# Allegro board SSOM_K1_Layout.brd (continued)
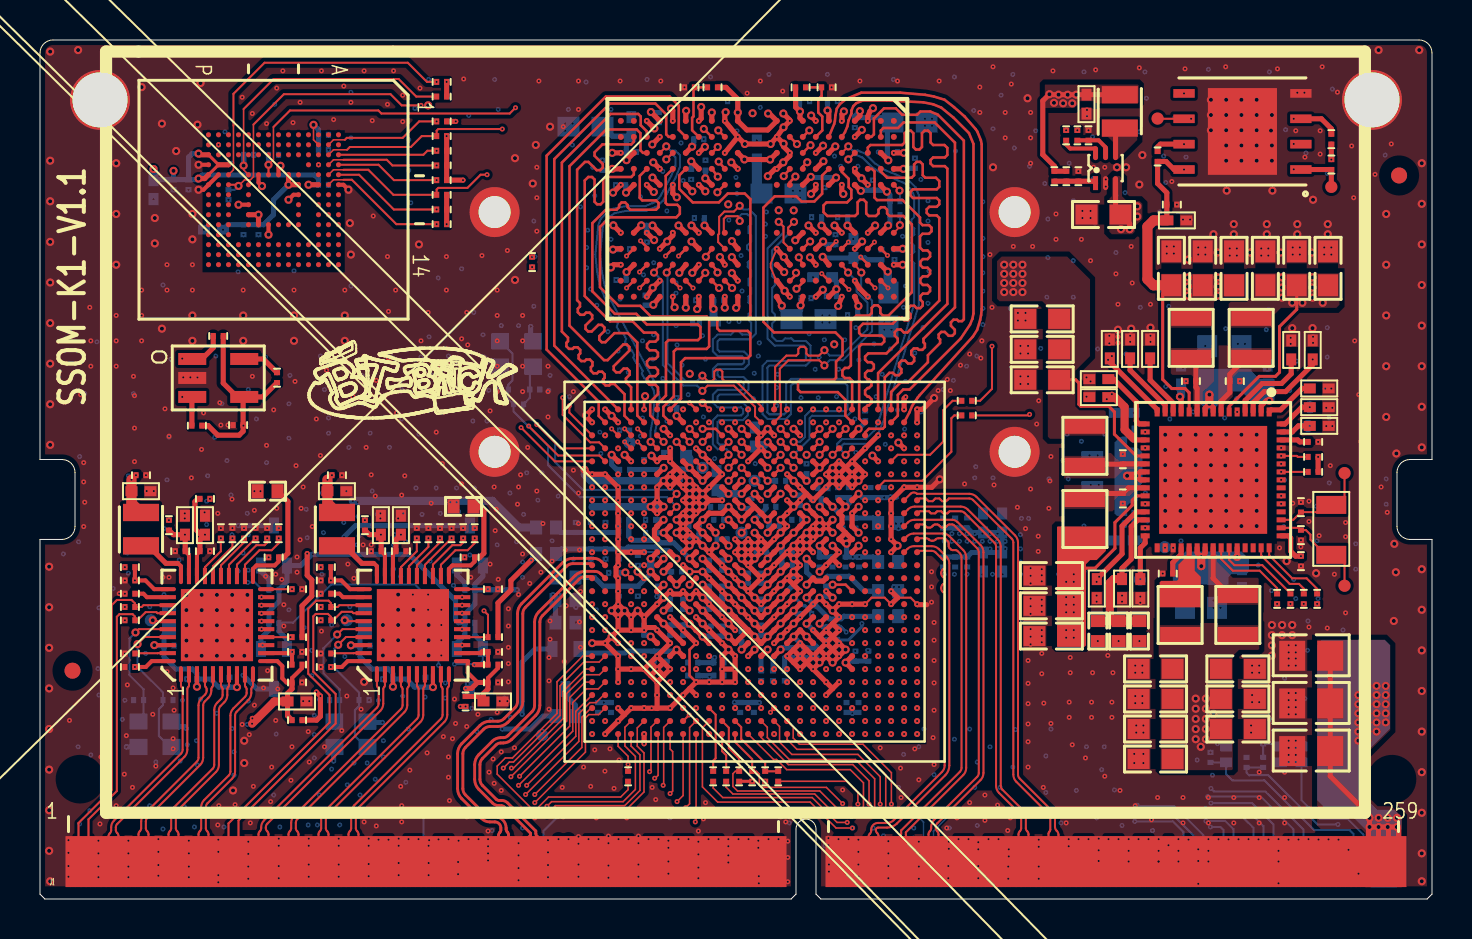
[diagram p0: board, top side]
## Routing (per net, layer and track width the routed paths; a pad name or vN(x,y) marks a point on that pad's centre or on a via; arc(x,y) is an arc through that point) (continued)
  BOTTOM w0.254: C93.2 34.43,18.99 v5(34.43,18.98)
AVDD18_AUD: length 20.9
  TOP w0.254: U1.P19 39.16,15.91 38.8,15.91 U1.P18 v5(38.33,15.73)
  L3 w0.254: v1(54.97,12.91) v2(54.97,12.45)
  L6 w0.305: 39.5,16.23 39,15.73
  L6 w0.356: v2(54.97,12.45) 53.95,11.43 51.31,11.43 46.51,16.23 39.5,16.23 ; 39,15.73 v5(38.33,15.73)
AVDD18_CSI: length 20.9
  TOP w0.254: U1.N6 v5(31.18,17.03) ; R87.2 R83.2 v1(20.33,33.78) ; U1.L19 v5(38.98,17.68) U1.M19 ; v5(31.18,18.98) U1.K6 30.86,18.63 30.72,18.49 30.72,18.14 U1.L6 ; v1(21.15,35.98) R82.2 R86.2 R81.2 v1(20.33,38.19) ; U1.H19 v5(39.63,19.63) ; U1.R6 v5(31.18,15.73) ; R90.2 v1(20.33,40.9) ; R84.2 v1(20.79,38.92)
  L3 w0.254: v2(20.62,40.28) 20.55,40.36 20.55,40.68 v1(20.33,40.9) ; v1(21.15,35.98) v2(21.5,35.98) ; v1(20.33,33.78) v2(20.67,33.78) ; v1(20.79,38.92) 20.79,38.64 v2(20.59,38.44) v1(20.33,38.19) ; v1(33.46,11.51) v2(33.12,11.18) 33.12,11.19 v1(32.81,11.51)
  L6 w0.254: v4(40.1,19.17) v4(39.89,19.37) v5(39.63,19.63) v2(39.63,20.07) ; v4(33.48,11.13) 33.22,11.13 33.17,11.18 v2(33.12,11.18)
  BOTTOM w0.076: 33.53,11.18 v4(33.48,11.13)
  BOTTOM w0.102: C24.2 30.06,17.37 30.67,17.37 31,17.03 v5(31.18,17.03)
  BOTTOM w0.254: v5(31.18,15.73) 31.1,15.66 C23.2 ; v5(38.98,17.68) 38.98,17.68 C16.2 C14.2 ; C18.2 31.18,18.99 v5(31.18,18.98) ; FB7.2 41.66,19.07 C7.2 C15.2 40.12,19.15 v4(40.1,19.17) v4(39.89,19.37) v5(39.63,19.63) ; C17.2 33.13,11.18 C76.2
AVDD18_DDR: length 38.7
  TOP w0.254: U6.T9 v5(32.58,32.91) ; v5(39.37,39.47) 39.44,39.41 U6.F1 ; 54.67,23.05 54.74,22.98 U5.18 ; U1.H12 v5(35.08,19.63) ; U6.T4 v5(32.56,36.92) ; U6.G9 v5(39.16,32.91) ; U6.U12 v5(32.29,29.6) ; U1.E14 36.06,21.91 v5(36.38,21.58) ; U1.H15 v5(37.03,20.28) ; v5(32.31,39.45) 32.29,39.44 U6.U1 ; U6.G4 38.79,36.55 v5(39.17,36.93) ; v5(39.82,30.53) U6.F12
  TOP w0.406: C170.2 53.74,25.12 54.23,24.64 54.23,23.5 54.67,23.05
  L3 w0.152: v1(24.61,32.13) 24.61,32.53 28.04,35.97 29.62,35.97 30.12,36.47 32.11,36.47 v5(32.56,36.92)
  L3 w0.254: v2(53.21,25.4) 52.96,25.65 52.96,27.3 53.29,27.64 53.29,37.05 v1(51.87,38.48)
  L3 w0.406: v1(53.34,25.02) v1(53.59,25.27) 53.34,25.27 ; v1(53.34,25.02) v2(52.83,25.02) v2(53.21,25.4) 53.34,25.27 ; v1(53.34,25.02) 53.34,25.27
  BOTTOM w0.254: C196.2 32.56,36.92 v5(32.56,36.92) ; v5(35.08,19.63) 35.17,19.55 C34.2 ; C195.2 v5(39.37,39.47) ; C197.2 32.29,29.6 v5(32.29,29.6) ; C35.2 39.82,30.52 v5(39.82,30.53) 39.82,30.91 C193.2 ; v5(39.16,32.91) 39.31,32.75 C194.2
  vias: v5(38.33,22.23) v5(39.71,27.77)
AVDD18_EFUSE: length 20.4
  TOP w0.254: U5.27 54.81,19.38 54.1,18.67 54.1,17.28 v1(52.96,16.13) C171.2 ; U1.G18 v5(38.98,20.93)
  L3 w0.254: v2(53.21,16.38) 53.21,16.38 v1(52.96,16.13) 52.83,16.01 v1(52.83,15.88)
  L6 w0.406: v2(53.21,16.38) 53.21,18.54 52.32,19.43 41.53,19.43
  BOTTOM w0.254: C91.2 38.89,20.85 v5(38.98,20.93)
AVDD18_PLL: length 19.1
  TOP w0.254: U1.K14 v5(35.73,18.98)
  L3 w0.254: v1(53.93,12.91) v2(53.93,12.52)
  L6 w0.356: v2(53.93,12.52) 53.35,11.94 51.56,11.94 46.79,16.71 39.42,16.71 39.24,16.89 38.86,16.89
  BOTTOM w0.254: C92.2 36.29,19.55 v5(35.73,18.98)
AVDD18_USB: length 5.9
  TOP w0.254: U1.M6 v5(30.53,17.03) ; U1.P6 v5(30.53,16.38)
  BOTTOM w0.254: v5(30.53,16.38) 30.53,16.3 C95.2 C94.2 28.17,15.66 27.73,16.09 FB6.2
  BOTTOM w0.381: v5(30.53,16.38) v5(30.53,17.03)
AVDD33_HDMI: length 1.6
  BOTTOM w0.254: Q2.3 26.28,10.2 26.78,9.7 FB10.2
AVDD33_HDMI_1: length 6
  TOP w0.254: U1.Y7 v5(31.83,12.48) U1.Y8
  BOTTOM w0.254: Q2.2 27.12,12.32 29.26,12.32 29.35,12.41 C21.2 C22.2 31.75,12.41 v5(31.83,12.48)
AVDD33_USB: length 3.9
  BOTTOM w0.254: R9.2 R10.2 28.92,18.35 C104.2 C106.2 C105.2 26.06,18.35 FB8.2
GND: length 277.4
  TOP w0.089: v7(36.84,32.55) 36.53,31.81 36.53,31.62 36.74,31.13 U6.K11
  TOP w0.102: v7(38.79,35.75) 38.79,35.75
  TOP w0.104: v1(41.26,14.76) 41.58,15.08 42.23,15.08 v1(42.56,14.76) ; 42.88,15.08 43.53,15.08 v1(43.86,14.76)
  TOP w0.127: v5(31.73,29.62) 31.64,29.71 v7(31.64,30.15) ; v7(33.46,24.51) v5(33.13,24.83) ; v7(30.21,24.51) 30.21,25.12 v5(30.25,25.17) ; v5(32.48,16.38) v5(33.13,16.38) ; v7(32.81,12.81) 32.48,12.48 32.48,11.19 v1(32.81,10.86)
  TOP w0.203: v5(11.1,35.69) 10.93,35.86 U7.J5 ; U7.K8 v5(9.93,34.75) ; v5(15.42,35.5) 15.17,35.75 U7.A6 ; U7.N5 U7.P6 8.18,35.5 v5(7.93,35.5) ; v5(12.02,36.7) 11.93,36.6 U7.G5 ; U7.E7 12.68,35.25 v5(12.43,35) ; U7.P4 v5(7.93,36.75) ; U7.H10 v5(11.43,33.25)
  TOP w0.254: v1(30.99,38.15) v5(30.61,37.77) ; v1(38.66,11.51) v1(39.31,10.86) 39.63,10.53 ; v1(38.66,11.51) v1(38.01,12.16) ; v1(38.66,11.51) v5(38.98,11.83) ; 38.33,12.48 38.01,12.8 v1(38.01,12.81) 37.67,12.47 ; 38.33,12.48 v1(38.01,12.16) ; 38.33,12.48 38.33,12.48 v1(38.66,12.16) ; v1(40.61,21.26) v1(39.96,20.61) v5(39.63,20.93) ; v1(40.61,21.26) v5(40.93,20.93) ; v1(40.61,21.26) v1(39.96,21.91) 39.96,21.91 v5(39.63,21.58) ; v1(40.61,21.26) 40.93,21.58 ; v1(38.01,12.16) 38.01,12.15 37.69,11.83 ; v1(38.01,12.16) 37.98,12.16 37.67,12.47 ; v5(32.48,20.94) v1(32.16,20.61) ; v5(32.48,20.94) v1(32.81,20.61) ; v5(32.48,20.94) v1(32.16,21.26) ; v1(32.16,20.61) v5(32.48,20.28) ; v1(32.16,20.61) v1(31.51,21.26) ; 38.98,13.13 v8(38.66,13.46) ; 38.98,13.13 v1(39.31,12.81) ; 38.98,13.13 v8(39.31,13.46) ; v5(38.56,39.22) 38.56,39.18 v1(38.79,38.95) ; v7(36.06,16.06) v7(35.41,16.71) ; v7(36.06,16.06) v5(36.38,16.38) v7(36.71,16.71) v7(37.36,17.36) ; v7(36.06,16.06) v7(35.41,15.41) ; v7(35.41,16.71) v5(35.73,17.03) ; v7(35.41,16.71) v5(35.08,17.03) ; v1(30.21,11.51) 30.53,11.18 ; v1(30.21,11.51) 30.53,11.84 ; v1(30.21,11.51) v7(29.56,11.51) v7(28.91,11.51) ; 30.53,11.18 v1(30.86,10.86) ; 30.53,11.18 30.86,11.5 v1(30.86,11.51) ; v5(38.98,18.33) v7(38.66,18.66) ; v5(38.98,18.33) v7(39.31,18.66) ; v5(38.98,18.33) v7(38.66,18.01) ; v7(38.66,18.66) v5(38.98,18.98) ; v7(38.66,18.66) v5(38.33,18.33) ; v1(30.86,10.86) v1(30.86,10.21) U1.AD6 ; v1(30.86,10.86) 31.18,11.18 ; v1(30.21,14.11) v1(30.86,14.76) v5(31.18,15.08) v7(31.51,15.41) 31.65,15.26 32.01,15.26 v7(32.16,15.41) v5(32.48,15.08) v7(32.81,15.41) v5(33.13,15.08) v7(33.46,14.76) v7(34.11,14.11) v5(34.43,13.78) v7(34.76,13.46) ; v1(30.21,14.11) v5(29.88,14.43) v1(29.56,14.11) ; v1(30.21,14.11) v1(30.21,13.46) ; 38.33,20.28 v1(38.66,19.96) v1(39.31,20.61) v5(39.63,20.93) ; 38.33,20.28 v7(38.01,19.96) v5(37.68,19.63) ; 38.33,20.28 v1(38.01,20.61) v5(37.68,20.93) v1(37.36,21.26) ; v5(35.08,17.03) v7(34.76,17.36) v5(35.08,17.68) ; v5(35.08,17.03) v7(35.41,17.36) ; v5(37.68,23.54) 38,23.21 38,23.21 v1(38.01,23.21) ; v7(29.04,35.75) v5(28.65,35.36) ; U1.H10 v5(33.13,19.63) ; U1.H10 v5(33.13,20.28) ; U1.H10 v1(34.11,19.96) ; v5(33.13,19.63) v1(32.81,19.96) ; v5(33.13,19.63) v1(32.81,19.31) ; v7(43.21,24.51) 43.21,25.05 v1(43.28,25.13) ; v5(33.78,17.68) v7(33.46,17.36) ; v7(33.46,17.36) v7(34.11,16.71) v5(34.43,16.38) v7(34.76,16.06) v5(35.08,15.73) v7(35.41,15.41) ; v7(33.46,17.36) v5(33.13,17.68) v7(32.81,18.01) ; v5(39.63,21.58) v1(39.31,21.26) v5(39.63,20.93) ; v5(39.63,21.58) v1(39.96,21.26) ; v1(30.86,11.51) 30.86,11.51 30.53,11.84 ; v1(30.86,11.51) 31.18,11.83 ; v1(30.86,11.51) 31.18,11.18 ; v5(43.14,31.75) 43.13,31.75 v1(42.69,31.75) ; v1(32.81,19.96) v5(32.48,20.28) ; v1(32.81,19.96) v1(32.16,19.31) ; v1(32.81,19.96) v5(33.13,20.28) ; v7(36.84,32.55) 36.84,32.55 v5(37.19,32.14) 37.49,31.75 37.49,31.75 37.49,31.75 U6.J10 ; v7(38.79,33.35) v5(38.43,33.71) ; v1(34.11,11.51) v1(34.76,11.51) ; v1(34.11,11.51) v1(34.11,10.86) ; v1(34.11,11.51) v7(34.11,12.16) v5(34.43,12.48) ; v1(34.76,11.51) v7(34.76,12.16) v5(34.43,12.48) ; v1(34.76,11.51) v1(34.76,10.86) v1(34.11,10.86) ; v1(40.74,38.15) v5(41.09,38.5) ; 37.68,15.73 38,16.06 v7(38.01,16.06) v5(37.68,16.38) ; 37.68,15.73 v7(37.36,16.06) ; 37.68,15.73 v7(38.01,15.41) v5(37.68,15.08) v7(37.36,14.76) v5(37.03,14.43) v7(36.71,14.11) v7(36.06,13.46) v5(35.73,13.78) v7(35.41,14.11) v5(35.08,14.43) v7(34.76,14.76) v5(34.43,15.08) v7(34.11,15.41) v7(33.46,16.06) v5(33.13,16.38) ; v7(28.91,23.86) v5(28.58,24.18) v7(28.26,24.51) ; v1(31.64,35.75) 31.64,35.32 v5(31.84,35.12) ; 37.69,11.83 v1(38.01,11.51) v1(38.66,12.16) ; 37.69,11.83 v1(37.36,12.16) 37.67,12.47 ; v5(38.33,19.63) U1.J18 v5(38.98,18.98) ; v5(35.08,17.68) v7(35.41,17.36) ; v5(35.08,17.68) v7(34.76,18.01) ; v5(35.08,17.68) v7(35.41,18.01) v7(36.06,17.36) ; v7(35.41,17.36) v5(35.73,17.68) v7(36.06,18.01) ; v7(35.41,17.36) v5(35.73,17.03) ; v5(34.43,12.48) v7(34.11,12.81) v7(33.46,13.46) v5(33.13,13.78) v7(32.81,14.11) ; v5(37.17,39.32) 37.49,38.99 37.49,38.95 v1(37.49,38.95) v5(37.18,38.63) v7(36.84,38.15) ; v1(40.09,35.75) 40.09,35.38 40.17,35.31 v5(40.17,35.29) ; v7(39.31,15.41) v5(39.63,15.08) ; v5(32.86,29.53) 32.94,29.62 v7(32.94,30.15) ; v7(32.16,18.01) v7(32.48,18.33) ; v7(32.16,18.01) v5(32.48,17.68) ; v7(32.16,18.01) v5(31.83,18.33) v7(32.16,18.66) ; v7(32.48,18.33) v7(32.16,18.66) ; v7(32.48,18.33) v7(32.81,18.01) ; v5(35.73,18.33) v7(36.06,18.01) ; v7(36.06,18.01) 36.38,17.68 ; v5(38.33,18.33) v7(38.01,18.01) ; v5(38.33,18.33) v7(38.66,18.01) ; v7(38.01,18.01) v5(37.68,17.68) ; v7(38.01,18.01) v7(38.66,17.36) ; 32.48,10.53 v7(32.16,10.21) v7(31.51,9.56) U1.AD6 ; 32.48,10.53 v1(32.81,10.86) v1(33.46,10.86) v1(34.11,10.86) ; 32.48,10.53 v1(32.81,10.21) ; v5(38.98,18.98) v7(39.31,18.66) ; v7(32.81,18.01) v5(32.48,17.68) ; v5(32.48,20.28) v1(32.16,19.96) v5(32.48,19.63) v1(32.81,19.31) ; v5(32.48,20.28) v1(32.81,20.61) ; v1(37.49,30.15) v5(37.23,30.44) U6.K11 ; v1(31.64,38.95) 31.64,39.47 v5(31.55,39.56) ; 31.51,22.03 v7(31.51,22.56) ; 31.51,22.03 31.44,22.1 31.04,22.1 v1(30.86,21.91) v5(30.57,22.19) ; 31.51,22.03 v1(31.51,21.91) 31.84,21.58 ; v5(39.63,14.43) v8(39.31,14.76) v5(38.98,15.08) v7(38.66,14.76) v7(38.01,14.11) v5(37.68,13.78) v7(37.36,13.46) v5(37.03,13.13) v7(36.71,12.81) ; v5(39.63,14.43) v8(39.96,14.11) 39.63,13.78 ; v5(39.63,14.43) v8(39.96,14.76) v1(40.61,14.76) v1(41.26,14.76) ; v1(28.26,12.81) v7(28.91,12.16) v7(28.91,11.51) ; v1(28.26,12.81) v5(28.58,13.13) ; v1(28.26,12.81) v5(27.61,12.81) ; v7(30.99,36.55) 30.99,36.55 v5(30.66,36.87) ; v1(28.91,9.56) 28.91,9.54 29.22,9.23 ; v7(39.31,18.66) v5(39.63,18.98) ; v7(39.31,18.66) v5(39.63,18.33) ; v1(28.91,14.11) v5(29.23,14.43) ; v1(28.91,14.11) v1(28.91,13.46) ; v1(28.91,14.11) v5(28.58,14.43) v7(28.91,14.76) ; v5(29.23,14.43) v1(29.56,14.11) ; v5(29.23,14.43) v7(28.91,14.76) ; 38.79,35.75 38.79,35.54 v5(38.55,35.29) ; v1(32.94,38.95) 33.06,39.07 v5(33.06,39.64) ; v1(42.56,14.76) 42.88,15.08 42.88,15.08 v1(42.56,15.41) ; v5(36.39,36.18) 36.76,36.55 v7(36.84,36.55) 37.16,36.87 v5(37.16,36.87) 37.49,37.2 v7(37.49,37.35) 37.18,37.66 v5(37.18,37.81) v7(36.84,38.15) ; v7(40.09,30.15) v5(39.91,29.69) ; v7(35.41,15.41) v5(35.73,15.08) v7(36.06,14.76) v5(36.38,15.08) v7(36.71,15.41) v5(37.03,15.73) v7(37.36,16.06) ; v5(34.59,32.93) 34.59,32.93 U6.N9 ; v7(37.36,16.06) v5(37.68,16.38) ; v1(36.06,23.21) v1(35.41,23.86) ; v1(36.06,23.21) 35.88,23.04 35.88,22.73 v1(36.06,22.56) ; v1(36.06,23.21) 36.06,23.21 v5(36.38,23.53) v1(36.71,23.21) ; v1(37.36,19.96) v5(37.68,19.63) ; v5(37.68,19.63) v7(37.36,19.31) v5(37.03,18.98) v7(37.36,18.66) v5(37.03,18.33) v7(36.71,18.01) 36.38,17.68 ; v1(32.94,31.75) v5(32.62,31.34) ; 39.63,17.03 v7(39.96,17.36) v5(39.63,17.68) ; 39.63,17.03 v7(39.96,16.71) ; 39.63,17.03 v7(39.31,16.71) v5(38.98,16.38) ; v1(34.24,31.75) v5(34,32.13) ; v7(43.21,22.56) v5(42.92,22.85) ; v1(32.94,33.35) v5(32.58,33.71) ; v5(37.68,17.03) v7(38.01,16.71) v5(37.68,16.38) ; v5(37.68,17.03) v7(37.36,17.36) ; v5(37.68,17.03) v7(38.01,17.36) ; v8(41.39,30.15) 40.98,30.56 v7(40.74,30.95) ; 29.22,9.23 v7(29.56,9.56) 29.56,9.55 30.2,9.55 v7(30.21,9.56) 30.21,9.55 v1(30.58,9.55) 30.85,9.55 U1.AD6 ; 29.22,9.23 v1(28.91,8.91) v7(28.26,8.26) ; v1(40.09,38.95) 40.1,38.96 40.1,39.29 40.19,39.39 v5(40.19,39.42) ; v7(27.61,24.51) v5(27.3,24.21) 27.3,24.16 v7(27.61,23.86) ; 40.93,21.58 v7(41.26,21.26) v5(40.93,20.93) ; 40.93,21.58 v1(40.61,21.91) ; v7(32.94,37.35) v5(33.24,37.65) ; v1(39.31,12.81) v1(39.96,12.16) ; v1(39.31,12.81) 38.98,12.48 ; v1(39.31,12.81) v8(39.96,13.46) 39.63,13.78 ; v1(39.96,12.16) v5(39.63,11.83) v1(39.31,12.16) ; v1(39.96,12.16) v5(40.28,12.48) v1(39.96,12.81) ; v7(32.16,18.66) v5(32.48,18.98) ; v7(32.16,18.66) v5(31.83,18.98) v1(32.16,19.31) ; v7(28.91,14.76) v7(28.91,15.41) v7(28.91,16.06) 28.8,16.16 28.8,16.61 v7(28.91,16.71) v1(28.91,17.36) ; 31.84,21.58 31.52,21.26 v1(31.51,21.26) ; 31.84,21.58 v1(32.16,21.26) ; v7(36.06,17.36) 36.38,17.68 ; v7(36.06,17.36) v5(35.73,17.03) ; v7(31.51,14.11) v7(32.16,13.46) v7(32.81,12.81) ; v5(33.13,20.28) v7(33.46,20.61) v1(34.11,21.26) v7(33.46,21.91) 33.45,21.91 v5(33.13,22.23) 32.81,22.56 v1(32.81,22.56) ; v5(33.13,20.28) v1(32.81,20.61) ; v1(31.51,21.26) 31.5,21.26 v5(31.18,20.94) ; 30.53,11.84 v1(30.86,12.16) ; v5(37.68,17.68) v7(37.36,17.36) ; v5(37.68,17.68) v7(38.01,17.36) ; 39.63,13.78 v8(39.31,13.46) ; 39.63,10.53 v1(39.31,10.21) ; 39.63,10.53 v1(39.96,10.86) ; v1(32.16,19.31) v5(32.48,18.98) ; v5(31.18,23.53) 31.51,23.21 v7(31.51,23.21) ; v7(28.91,12.81) v5(28.58,13.13) ; v5(28.58,13.13) v1(28.91,13.46) ; v1(29.56,14.11) v1(29.56,13.46) ; v1(29.56,13.46) v1(28.91,13.46) ; v1(29.56,13.46) v1(30.21,13.46) ; v1(41.39,35.75) 41.08,36.06 v5(41.08,36.08) 41.06,36.09 41.05,36.09 40.74,36.4 v1(40.74,36.55) ; v5(34.59,31.33) 34.59,31.33 v7(34.89,30.95) ; v1(31.64,33.35) 31.64,33.22 31.36,32.93 v5(31.36,32.91) v7(30.99,32.55) ; v5(33.27,35.42) 32.94,35.75 v7(32.94,35.75) ; v5(36.38,22.23) 36.06,22.56 v1(36.06,22.56) ; v5(40.93,19.63) v1(40.61,19.31) U1.K21 v5(40.93,18.33) ; v5(32.48,18.98) v1(32.81,19.31) ; v5(39.63,20.93) v1(39.96,21.26) ; v5(31.18,20.94) 31.5,20.61 v8(31.51,20.61) v1(32.16,21.26) ; v5(31.18,20.94) 30.86,20.61 v8(30.86,20.61) v8(30.86,19.96) ; 31.18,11.18 v1(31.51,11.51) 31.18,11.83 ; v1(30.86,12.16) 31.18,11.83 ; v1(30.86,12.16) v1(31.51,12.81) v1(30.86,13.46) 30.72,13.59 30.34,13.59 v1(30.21,13.46) ; v7(38.66,18.01) v5(38.33,17.68) v7(38.01,17.36) ; v1(28.91,10.86) v7(28.91,11.51) ; v1(39.31,12.16) v5(38.98,11.83) ; v1(39.31,12.16) 38.98,12.48 ; v1(39.31,12.16) v1(39.96,12.81) ; v8(30.86,19.96) v5(31.18,19.64) 30.85,19.31 30.85,19.31 v8(30.86,19.31) 30.86,19.31 30.86,19.31 v5(30.53,19.64) 30.86,19.96 v8(30.86,19.96) ; v5(44.7,25.08) 44.13,24.51 v7(43.86,24.51) v7(43.86,23.86) ; v1(28.91,17.36) v1(29.56,17.36) v1(30.21,17.36) ; v1(28.91,17.36) v1(28.91,18.01) v7(28.91,18.66) v7(28.91,19.31) v7(28.91,19.96) v1(28.91,20.61) v7(28.26,21.26) v1(27.61,21.26) 27.46,21.26 v5(27.23,21.49) ; v7(35.41,12.16) v5(35.73,12.48) ; v1(41.39,38.95) 41.39,39.17 41.5,39.44 v5(41.65,39.59) ; v1(40.61,21.91) v7(41.26,22.56) v7(41.91,23.21) ; v1(40.61,21.91) v1(39.96,21.26) ; v1(42.69,37.35) v5(43.2,37.35) ; v1(30.34,38.95) v5(30.72,38.57) ; v1(40.09,33.35) v5(39.73,33.71) ; v5(44.99,21.01) 44.59,20.61 v1(43.86,20.61) v1(43.21,20.61) v7(42.56,19.96) v7(42.56,19.31) v7(42.56,18.66) v7(42.56,18.01) v5(42.88,17.68) v7(42.56,17.36) ; v1(35.41,21.91) v1(36.06,22.56) ; v5(33.78,18.33) v7(33.46,18.66) ; v5(38.98,11.83) v1(38.66,12.16) ; v7(32.16,17.36) v5(32.48,17.68) ; v1(30.34,35.75) 30.34,35.74 v5(30.69,35.39) ; v7(34.89,38.15) v5(35.24,37.79) v5(36.53,37.79) v7(36.84,38.15) ; v7(34.89,38.15) v7(34.24,37.35) ; v7(34.89,38.15) v1(34.24,38.95) 34.24,39.34 v5(34.28,39.38) ; v7(30.21,8.26) v1(30.21,7.77) ; v7(29.04,33.35) v5(28.67,33.72) ; v1(34.24,30.15) v5(34.24,29.6) ; v1(43.86,14.76) 43.88,14.73 44.34,14.73 ; v5(40.93,20.93) v1(40.61,20.61) v1(39.96,21.26) ; v7(29.04,31.75) 28.68,31.75 v5(28.54,31.61) ; 38.98,12.48 v1(38.66,12.16) ; v7(34.89,36.55) v5(34.57,36.87) ; v7(40.74,32.55) v5(41.11,32.91) ; v7(38.79,31.75) v5(38.5,32.12) ; v7(38.79,30.15) v5(39.14,30.5) ; v7(30.99,30.95) 30.99,30.95 v5(30.64,30.6) v7(30.34,30.15) ; v8(39.31,13.46) v1(39.96,12.81) ; v1(41.91,21.91) v5(41.62,22.2) ; U1.M21 v5(40.93,17.68) ; v1(30.34,33.35) v5(30.71,32.98) ; v1(29.04,37.35) v5(28.61,37.35) ; v7(38.79,37.35) v5(39.15,37.71) ; v1(36.06,19.96) v5(35.73,20.28) ; v1(30.21,16.06) v5(29.88,16.38) ; v7(29.56,21.91) 29.56,21.91 v5(29.23,22.23) ; v7(41.39,33.35) v5(41.76,33.71) ; v7(32.16,16.71) v5(32.48,16.38)
  L2 w0.254: 67.6,40 66.93,40.67 v5(66.93,42.49) ; 2,40 2.64,40.64 v5(5.08,40.64)
  L3 w0.102: 25.55,2.69 26.85,2.69 v1(26.92,2.77) ; v9(39.27,2.29) 40.39,2.29 40.79,2.69 40.79,3.1 40.61,3.28 40.36,3.28 39.78,3.86 39.78,4.16 39.01,4.93 36.72,4.93 36.53,5.13 ; v1(39.42,3.05) 39.1,3.36 39.1,3.58 39.08,3.73 39.07,3.74 39.01,3.88 38.93,4.01 38.81,4.13 38.68,4.21 38.53,4.27 38.38,4.31 38.22,4.3 38.07,4.27 37.92,4.21 37.79,4.13 37.67,4.01 37.59,3.88 37.53,3.73 37.5,3.62 v9(37.34,3.45)
  L3 w0.254: v1(36.71,8.26) v2(36.71,8.64) ; v1(35.41,8.91) v2(35.41,8.56) ; v1(42.56,10.86) v2(42.8,10.61) ; v1(42.56,8.91) v2(42.8,8.66) ; v1(39.31,10.21) 39.31,10.21 v2(39.63,10.53) ; v2(39.63,10.53) 39.96,10.86 v1(39.96,10.86) ; v2(39.63,10.53) 39.31,10.86 v1(39.31,10.86) ; v1(42.56,12.16) v2(42.8,11.91) ; v1(37.36,10.21) 37.28,10.13 v2(37.28,9.88) 37.28,9.64 v1(37.36,9.56) ; v1(43.21,13.46) 43.21,13.46 v2(43.45,13.21) ; v1(41.26,13.46) v2(41.5,13.21) ; v2(29.96,8.02) v1(30.21,7.77) ; v2(40.2,8.01) 39.96,8.26 v1(39.96,8.26) ; v1(33.46,8.26) v2(33.18,8.54) ; v1(43.21,10.21) v2(43.45,9.96) ; v1(42.56,12.81) v2(42.8,12.56) ; v1(43.86,8.26) v2(44.1,8.01) ; v1(43.86,11.51) v2(44.1,11.26)
  BOTTOM w0.152: v5(37.68,15.08) 37.75,15.08 38.15,14.68 38.25,14.68 38.58,14.35 v6(38.58,14.27)
  BOTTOM w0.254: Y4.4 6.82,8.64 7.21,8.64 v4(7.32,8.53) ; Y1.2 22.73,26.92 22.4,26.92 v4(22.2,27.13) ; Y1.4 24.54,28.04 v4(24.54,28.65) ; v4(17.12,8.84) 16.42,8.84 Y3.4 ; v4(14.68,6.91) 14.68,7.57 Y3.2 ; C103.1 C46.1 C47.1 ; v6(4.32,7.62) 4.33,7.61 Y4.2
  BOTTOM w0.381: v5(31.18,19.64) v5(30.53,19.64) 27.61,19.64 ; v5(27.23,21.49) 27.23,21.23 27.53,20.94 v5(31.18,20.94)